# KiCad board CXD-ROUTER-V1.0_PUBLISH.kicad_pcb (continued)
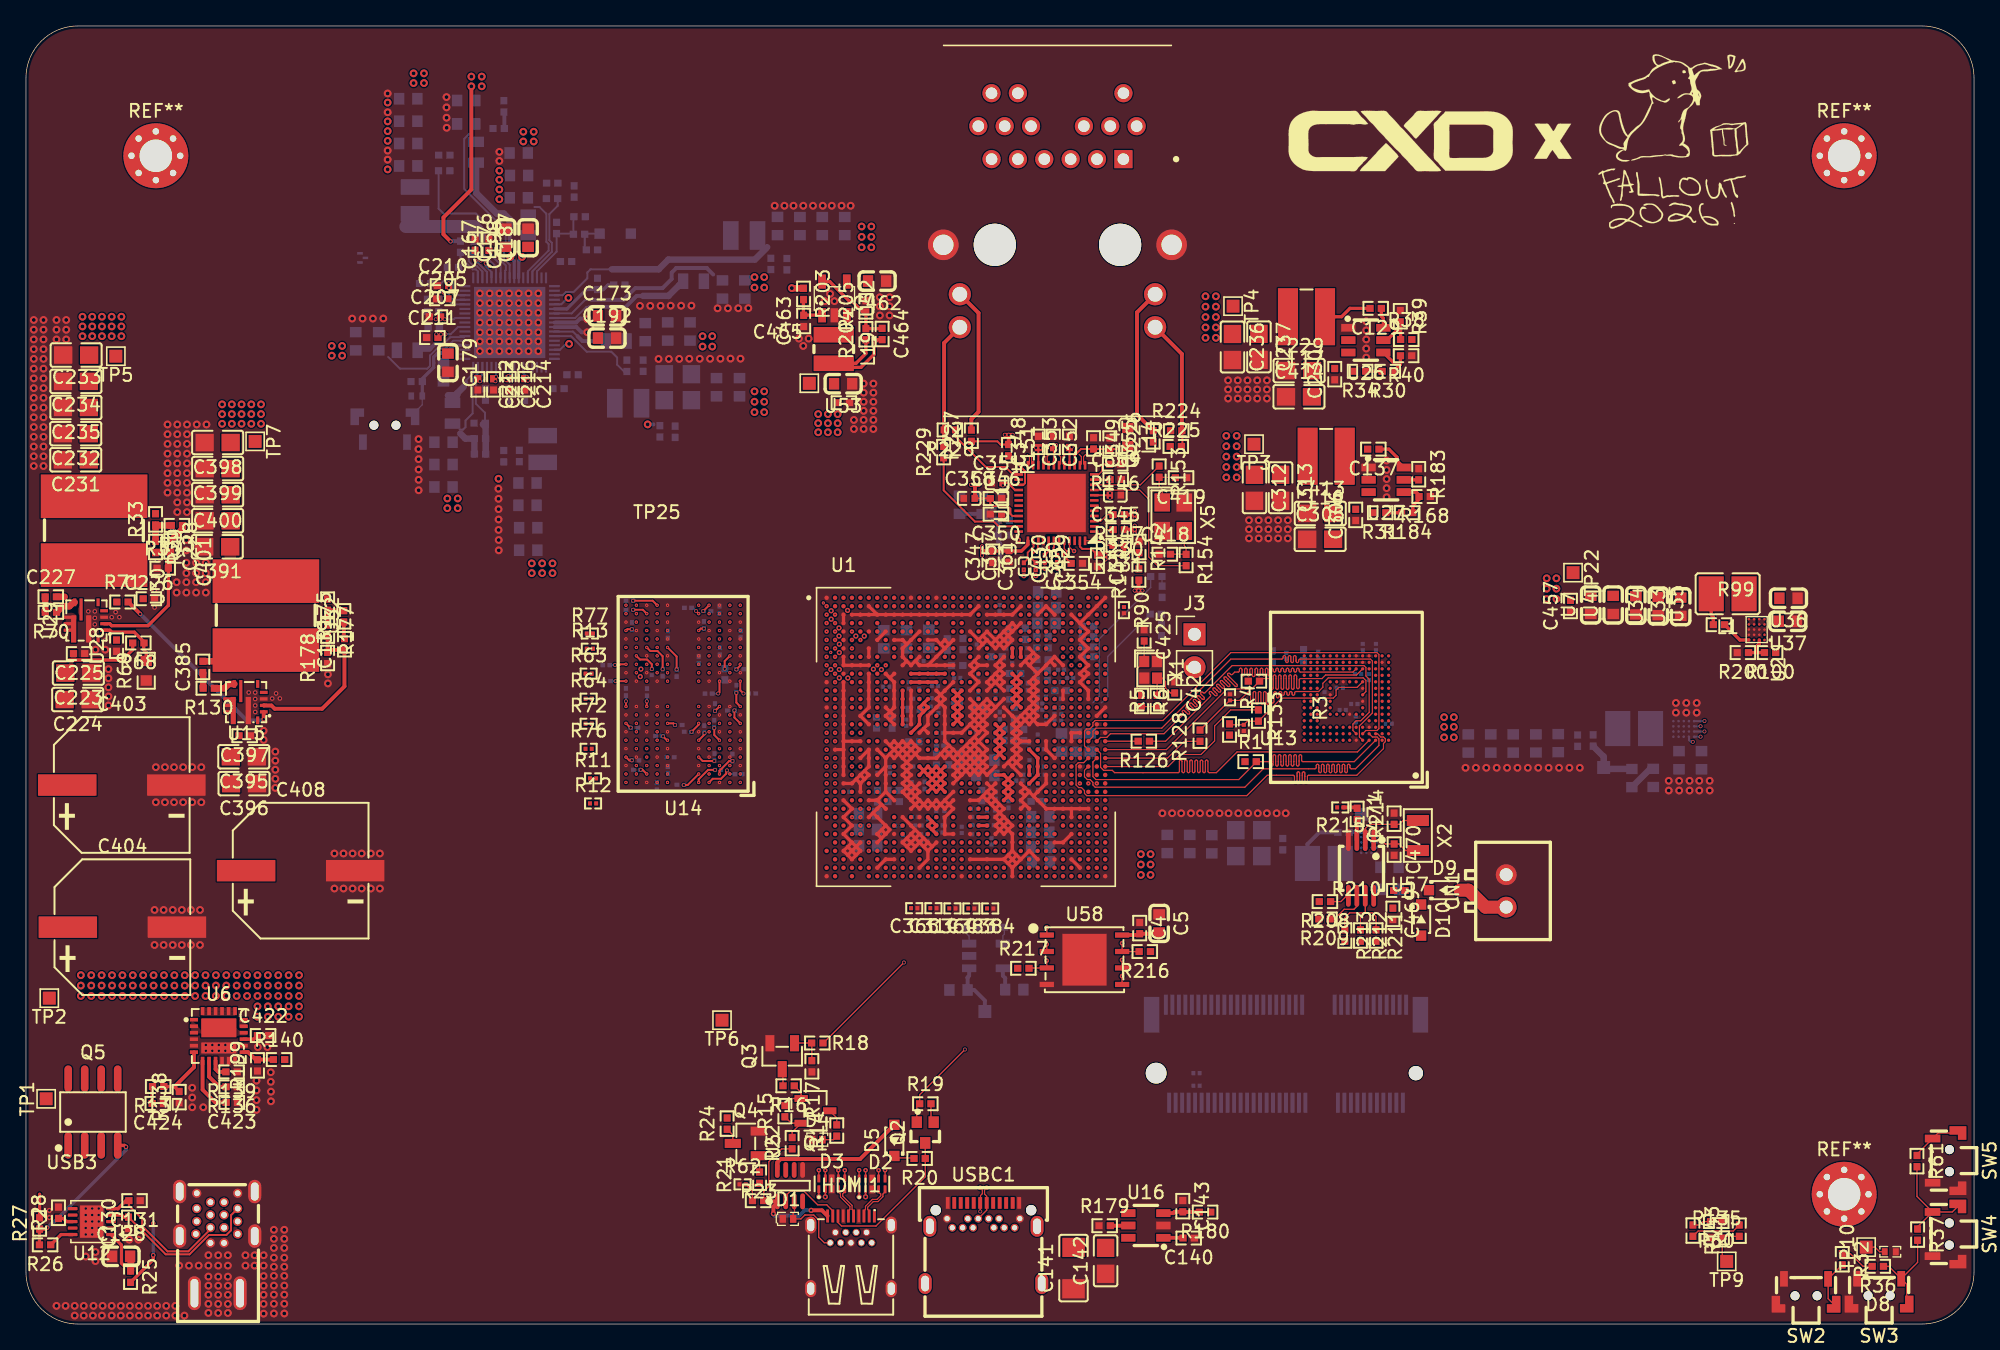
[diagram p0: board, top side]
## Nets (continued)
VCC5V_HDMIRX_PORT: HDMI1.19 R22.1 R23.2 U5.1
VCC_1V1_NLDO_S3: C205.2 C206.2 C464.2 C465.2 L19.2 R204.1 TP25.1 U18.9 U18.13 U53.2
VCC_1V8_S0: C13.2 C15.1 C215.1 C286.2 C287.2 C289.2 C293.2 C298.2 C299.1 Q2.2 R19.2 R24.2 R101.2 R102.2 R103.2 R104.2 R207.1 U1.AA7 U1.AA26 U1.AB26 U1.AC25 U1.AJ19 U1.AJ20 U1.G20 U1.H20 U1.H21 U1.W25 U1.Y26 U18.58
VCC_1V8_S3: C4.2 C5.2 C6.2 C7.2 C8.2 C11.1 C177.2 C178.2 C472.2 C474.2 C475.2 C481.2 L8.2 R1.1 R2.1 R3.1 R47.2 R56.2 R57.2 R211.2 R216.1 R217.1 U1.V26 U13.C6 U13.M4 U13.N4 U13.P3 U13.P5 U18.25 U58.8
VCC_1V8_S3_PLDO6: C197.2 R48.2 U18.20
VCC_2V0_PLDO_S3: C174.2 C175.2 C203.2 L4.2 U18.41 U18.59
VCC_3V3_S0: C288.2 C300.1 C466.2 D5.2 TP24.1 U1.AC26 U1.W26 U5.4 U5.8 U46.1
VCC_3V3_S3: C9.2 C10.2 C180.2 C181.2 C302.1 C467.2 C476.2 C477.2 C478.2 C479.2 D10.2 L9.2 R100.1 R212.2 U1.P28 U13.E6 U13.F5 U13.J10 U13.K9 U18.5 U46.5
VCC_RTC: D9.1 D10.1 R210.2
VCCA_1V8_S0: C18.1 C19.1 C22.1 C23.1 C26.1 C29.1 C31.1 C34.2 C35.2 C38.2 C39.2 C49.1 C50.1 C51.1 C126.1 C216.1 C307.1 R41.2 R143.2 U1.AG11 U1.AG14 U1.AH18 U1.AJ13 U1.G23 U1.H23 U1.K16 U1.K27 U1.L27 U1.M12 U1.M27 U1.N27 U1.U18 U18.60
VCCA_3V3_S0: C127.1 C213.1 U1.AE4 U1.AE5 U1.AJ10 U18.63
VCCIO_SD_S0: C12.1 C212.1 U1.Y7 U18.65
VDD2_DDR_S3: C188.2 C189.2 C190.2 C191.2 C257.2 C260.2 C263.2 C265.2 C267.2 C269.2 C271.2 C273.2 C275.2 C317.2 C320.2 C323.2 C325.2 C326.2 C327.2 C405.2 C407.2 C409.2 C410.2 C411.2 C412.2 L11.2 R52.2 R66.2 U14.A4 U14.A9 U14.AB4 U14.AB9 U14.F5 U14.F8 U14.H1 U14.H5 U14.H8 U14.H12 U14.K1 U14.K3 U14.K10 U14.K12 U14.N1 U14.N3 U14.N10 U14.N12 U14.R1 U14.R5 U14.R8 U14.R12 U14.U5 U14.U8 U18.30
VDD_0V75_S0: C14.1 C20.1 C21.1 C24.1 C25.1 C211.2 C238.1 C290.2 C291.2 C292.2 C295.2 C296.2 U1.AA25 U1.AB25 U1.AD3 U1.AG19 U1.AG20 U1.G24 U1.H24 U1.V20 U18.8
VDD_0V75_S3: C47.1 C48.1 C210.2 U1.P27 U18.14
VDD_CPU_BIG0_S0: C457.2 L1.2 R99.1 R99.2 TP22.1 U2.A4 U4.2 U7.2 U33.2 U34.2 U35.2
VDD_CPU_BIG1_MEM_S0: C59.2 C60.1 C119.1 C123.2 L20.2 U1.M19 U1.M21 U1.N19 U1.N21 U55.2
VDD_CPU_BIG1_S0: C61.1 C62.1 C63.1 C64.1 C65.1 C66.1 C67.1 C74.1 C75.1 C76.1 C92.1 C93.1 C94.2 C95.2 C96.2 C97.2 C98.2 C99.1 C100.1 C101.1 C461.2 L18.2 L20.1 R202.1 R202.2 TP23.1 U1.K23 U1.K24 U1.L23 U1.L24 U1.M16 U1.M17 U1.M23 U1.M24 U1.N16 U1.N17 U1.N23 U1.N24 U1.P16 U1.P17 U1.P23 U1.P24 U1.R16 U1.R17 U1.T16 U1.T17 U47.2 U48.2 U49.2 U50.2 U51.2 U54.A4
VDD_CPU_LIT_S0: C53.2 C54.2 C55.2 C56.2 C73.2 C77.2 C78.2 C120.1 C121.2 C156.1 C156.2 C157.2 C158.2 C159.2 C160.2 L5.2 R44.1 R44.2 U1.T21 U1.T22 U1.U21 U1.U22 U1.V21 U1.V22 U1.W21 U1.W22 U1.Y21 U1.Y22 U18.37
VDD_DDR_S0: C1.2 C43.2 C57.2 C58.2 C193.2 C194.2 C195.2 C196.1 C196.2 C281.2 L12.2 R55.1 R55.2 U1.L11 U1.L12 U1.L13 U1.L14 U1.L17 U1.L18 U1.N13 U1.P12 U1.P13 U1.R12 U1.T12 U1.U11 U18.46
VDD_GPU_S0: C68.2 C69.2 C70.2 C71.2 C72.2 C79.2 C80.2 C81.2 C82.2 C83.1 C150.1 C150.2 C151.2 C152.2 C153.2 C154.2 L3.2 R43.1 R43.2 U1.AA12 U1.AA13 U1.AA14 U1.AA15 U1.AB12 U1.AB13 U1.AB14 U1.AB15 U1.AC13 U1.AC14 U1.AC15 U1.AD13 U1.AD14 U1.AD15 U18.49
VDD_LOG_S0: C102.2 C103.2 C104.2 C105.2 C106.2 C107.2 C108.2 C109.2 C110.2 C162.1 C162.2 C163.2 C164.2 C165.2 C166.2 L6.2 R45.1 R45.2 U1.AC17 U1.AC18 U1.AC19 U1.AD17 U1.AD18 U1.AD19 U1.K19 U1.K20 U1.V16 U1.V17 U18.56
VDD_NPU_S0: C111.2 C112.2 C113.2 C114.2 C115.2 C116.2 C117.2 C118.1 C122.2 C458.2 C459.2 C460.2 L2.2 R201.1 R201.2 TP26.1 U1.AB21 U1.AB22 U1.AB23 U1.AC22 U1.AC23 U1.AD22 U1.AD23 U1.AE22 U1.AE23 U40.A4 U43.2 U44.2 U45.2
VDD_VDENC_S0: C84.2 C85.2 C86.1 C87.1 C88.1 C89.1 C90.1 C91.1 C168.1 C168.2 C169.2 C170.2 C171.2 C172.2 L7.2 R46.1 R46.2 U1.R14 U1.T14 U1.U14 U1.V12 U1.V13 U1.V14 U1.W13 U1.W14 U18.24
VDDA_0V75_S0: C125.1 C208.2 U1.AE8 U1.AH10 U18.11
VDDA_0V85_S0: C27.1 C28.1 C30.1 C32.2 C33.2 C36.2 C37.2 C207.2 U1.AG13 U1.AH13 U1.AH14 U1.AJ14 U1.K28 U1.L28 U1.M28 U18.10
VDDA_1V2_S0: C17.1 C214.1 C297.2 U1.AH19 U1.AH20 U18.57
VDDA_DDR_PLL_S0: C209.2 C282.2 U1.L15 U1.N12 U18.12
VDDQ_DDR: C256.2 C262.2 C264.2 C266.2 C268.2 C270.2 C272.2 C274.2 C276.2 C277.2 C278.2 C280.2 C318.2 C319.2 C321.2 C322.2 C324.2 R42.2 U14.AA3 U14.AA5 U14.AA8 U14.AA10 U14.B3 U14.B5 U14.B8 U14.B10 U14.D1 U14.D5 U14.D8 U14.D12 U14.F3 U14.F10 U14.U3 U14.U10 U14.W1 U14.W5 U14.W8 U14.W12
VDDQ_DDR_CK_S0: C438.2 U1.L10
VDDQ_DDR_CKE_S3: C439.2 U1.H13 U1.N8
VDDQ_DDR_S0: C183.2 C184.2 C185.2 C186.2 C433.2 C434.2 L10.2 R11.2 R12.2 R13.2 R50.2 R77.2 U1.K11 U1.K12 U1.K13 U1.K14 U1.K15 U1.M10 U1.N10 U1.P10 U1.R10 U1.T10 U18.67
32KOUT_WIFI: R213.2
/ETHERNET & MAGNETICS/CKXTAL1_E2: R153.1 U11.10
/ETHERNET & MAGNETICS/CKXTAL2_E2: R154.2 U11.9
/ETHERNET & MAGNETICS/CLKREQB_E2: R231.2 U11.48
/ETHERNET & MAGNETICS/EECS/SCL_E2: U11.31
/ETHERNET & MAGNETICS/EEPROM_SEL_E2: U11.32
/ETHERNET & MAGNETICS/EVDD33_E0: C354.2 J2.1 J2.6 J2.7 J2.12 U11.43
/ETHERNET & MAGNETICS/GIP/GPO_E2: R147.2 U11.3
/ETHERNET & MAGNETICS/LANWAKEB_E2: R230.2 U11.2
/ETHERNET & MAGNETICS/LED0/EEDI/SPISI/SDA_E2: R225.1 U11.30
/ETHERNET & MAGNETICS/LED1/EESK/SPISCK_E2: R151.2 R226.1 U11.27
/ETHERNET & MAGNETICS/LED2/EEDO/SPISO_E2: R228.1 U11.25
/ETHERNET & MAGNETICS/LED3_E2: R229.1 U11.35
/ETHERNET & MAGNETICS/MDIN0_2: J2.9 U11.14
/ETHERNET & MAGNETICS/MDIN1_2: J2.3 U11.18
/ETHERNET & MAGNETICS/MDIN2_2: J2.5 U11.21
/ETHERNET & MAGNETICS/MDIN3_2: J2.11 U11.24
/ETHERNET & MAGNETICS/MDIP0_2: J2.8 U11.13
/ETHERNET & MAGNETICS/MDIP1_2: J2.2 U11.17
/ETHERNET & MAGNETICS/MDIP2_2: J2.4 U11.20
/ETHERNET & MAGNETICS/MDIP3_2: J2.10 U11.23
/ETHERNET & MAGNETICS/RSET_E2: R146.2 U11.12
/ETHERNET & MAGNETICS/SPICSB_E2: U11.26
/HDMI_RX_SCL_M1: U5.7
/HDMI_RX_SDA_M1: U5.6
/HDMI_RXDDC_SCL_PORT: HDMI1.17 U5.2
/HDMI_RXDDC_SDA_PORT: D1.2 HDMI1.18 U5.3
/HDMIIRX_DET_L: Q4.3 R24.1
/MIPI DSI & CSI INTERFACES - Q | R | P/PCIE30_0_REF: R90.1 U1.B34
/MIPI DSI & CSI INTERFACES - Q | R | P/PCIE30_1_REF: U1.A33
/PCIE, SATA & USB INTERFACES - N | O/TYPEC0_REXT: U1.AH16
/PCIE, SATA & USB INTERFACES - N | O/TYPEC1_REXT: U1.AG16
/PMIC RK806-1/PMIC_FB6: C191.1 R51.2 R52.1 U18.31
/PMIC RK806-1/PMIC_FB9: C183.1 R49.2 R50.1 U18.66
/PMIC RK806-1/PMIC_SW1: L3.1 U18.50 U18.51
/PMIC RK806-1/PMIC_SW2: L5.1 U18.35 U18.36
/PMIC RK806-1/PMIC_SW3: L6.1 U18.55
/PMIC RK806-1/PMIC_SW4: L7.1 U18.23
/PMIC RK806-1/PMIC_SW5: L12.1 U18.45
/PMIC RK806-1/PMIC_SW6: L11.1 U18.29
/PMIC RK806-1/PMIC_SW9: L10.1 U18.68
/PMIC RK806-1/PMIC_SW10: L8.1 L9.1 U18.6 U18.26
/PMIC RK806-1/PMIC_VDC: C200.1 R53.1 R54.1 U18.32
/PMU & CLOCK - E | F/SPI2_CLK_M2: U1.N31
/PMU & CLOCK - E | F/TSADC_SHUT_H: U1.P32
/PMU & CLOCK - E | F/XIN_24M: C425.2 R6.1 U1.R34 X1.1
/PMU & CLOCK - E | F/XOUT_24M: R5.1 R6.2 U1.T34
/TYPEC_VBUS: Q5.1 Q5.2 Q5.3 R25.2 R27.2 USB3.A4 USB3.A9 USB3.B4 USB3.B9
/VCCIO - J | K | I/HOST0_REXT: U1.AG9
/VCCIO - J | K | I/HOST1_REXT: U1.AH9
/VCCIO - J | K | I/OTG0_REXT: U1.AP12
/VCCIO - J | K | I/OTG1_REXT: U1.AP7
/VCCIO - J | K | I/VSEL4: R111.2 U1.T32
/VCCIO - J | K | I/VSEL5: R112.2 U1.T30
BIG/NPU_EN: R100.2 R200.1 U2.A2 U40.A2 U54.A2
BOOT_SARADC_IN0: C314.2 R41.1 R135.2 TP9.1 U1.AM16
BT_REG_ON_H: U1.AH27
BT_WAKE_HOST_H: U1.P30
BT_WAKE_L: U1.AB28
CC_INT_L: U1.AC29
CM_RST_L: U1.AK30
CPU_BIG0_VSEL: U1.R31 U2.A1
CPU_BIG1_VSEL: U1.W28 U54.A1
DDQ_DDR_CK_S0: U1.M13
DDR_CH0_A0_A: U1.T7 U14.H2
DDR_CH0_A0_B: U1.M8 U14.R2
DDR_CH0_A1_A: U1.T8 U14.J2
DDR_CH0_A1_B: U1.M5 U14.P2
DDR_CH0_A2_A: U1.P4 U14.H9
DDR_CH0_A2_B: U1.N5 U14.R9
DDR_CH0_A3_A: U1.P5 U14.H10
DDR_CH0_A3_B: U1.N4 U14.R10
DDR_CH0_A4_A: U1.R1 U14.H11
DDR_CH0_A4_B: U1.K1 U14.R11
DDR_CH0_A5_A: U1.P2 U14.J11
DDR_CH0_A5_B: U1.L2 U14.P11
DDR_CH0_CLKN_A: U1.N1 U14.J9
DDR_CH0_CLKN_B: U1.M1 U14.P9
DDR_CH0_CLKP_A: U1.N2 U14.J8
DDR_CH0_CLKP_B: U1.M2 U14.P8
DDR_CH0_DM0_A: U1.Y4 U14.C3
DDR_CH0_DM0_B: U1.G4 U14.Y3
DDR_CH0_DM1_A: U1.AB4 U14.C10
DDR_CH0_DM1_B: U1.E4 U14.Y10
DDR_CH0_DQ0_A: U1.U1 U14.B2
DDR_CH0_DQ0_B: U1.H1 U14.AA2
DDR_CH0_DQ1_A: U1.T2 U14.C2
DDR_CH0_DQ1_B: U1.J2 U14.Y2
DDR_CH0_DQ2_A: U1.T1 U14.E2
DDR_CH0_DQ2_B: U1.J1 U14.V2
DDR_CH0_DQ3_A: U1.R2 U14.F2
DDR_CH0_DQ3_B: U1.K2 U14.U2
DDR_CH0_DQ4_A: U1.W1 U14.F4
DDR_CH0_DQ4_B: U1.F1 U14.U4
DDR_CH0_DQ5_A: U1.V2 U14.E4
DDR_CH0_DQ5_B: U1.G2 U14.V4
DDR_CH0_DQ6_A: U1.V1 U14.C4
DDR_CH0_DQ6_B: U1.G1 U14.Y4
DDR_CH0_DQ7_A: U1.U2 U14.B4
DDR_CH0_DQ7_B: U1.H2 U14.AA4
DDR_CH0_DQ8_A: U1.AB2 U14.B11
DDR_CH0_DQ8_B: U1.D2 U14.AA11
DDR_CH0_DQ9_A: U1.AB1 U14.C11
DDR_CH0_DQ9_B: U1.C1 U14.Y11
DDR_CH0_DQ10_A: U1.AC1 U14.E11
DDR_CH0_DQ10_B: U1.C2 U14.V11
DDR_CH0_DQ11_A: U1.AC2 U14.F11
DDR_CH0_DQ11_B: U1.B1 U14.U11
DDR_CH0_DQ12_A: U1.Y1 U14.F9
DDR_CH0_DQ12_B: U1.F2 U14.U9
DDR_CH0_DQ13_A: U1.Y2 U14.E9
DDR_CH0_DQ13_B: U1.E1 U14.V9
DDR_CH0_DQ14_A: U1.AA1 U14.C9
DDR_CH0_DQ14_B: U1.E2 U14.Y9
DDR_CH0_DQ15_A: U1.AA2 U14.B9
DDR_CH0_DQ15_B: U1.D1 U14.AA9
DDR_CH0_DQS0_A_N: U1.U4 U14.E3
DDR_CH0_DQS0_A_P: U1.U5 U14.D3
DDR_CH0_DQS0_B_N: U1.J7 U14.V3
DDR_CH0_DQS0_B_P: U1.J8 U14.W3
DDR_CH0_DQS1_A_N: U1.AA4 U14.E10
DDR_CH0_DQS1_A_P: U1.AA5 U14.D10
DDR_CH0_DQS1_B_N: U1.F4 U14.V10
DDR_CH0_DQS1_B_P: U1.F5 U14.W10
DDR_CH0_LP4/4X_CKE0/LP5_CS0_A: R63.1 U1.P7
DDR_CH0_LP4/4X_CKE0/LP5_CS0_B: R72.1 U1.L5
DDR_CH0_LP4/4X_CKE0_A: R63.2 U14.J4
DDR_CH0_LP4/4X_CKE0_B: R72.2 U14.P4
DDR_CH0_LP4/4X_CKE1/LP5_CS1_A: R64.1 U1.N7
DDR_CH0_LP4/4X_CKE1/LP5_CS1_B: R76.1 U1.L4
DDR_CH0_LP4/4X_CKE1_A: R64.2
DDR_CH0_LP4/4X_CKE1_B: R76.2
DDR_CH0_LP4/4X_CS0_A: U1.R6 U14.H4
DDR_CH0_LP4/4X_CS0_B: U1.L7 U14.R4
DDR_CH0_LP4/4X_CS1_A: U1.R7
DDR_CH0_LP4/4X_CS1_B: U1.L8
DDR_CH1_A0_C: U1.G12
DDR_CH1_A0_D: U1.H15
DDR_CH1_A1_C: U1.F12
DDR_CH1_A1_D: U1.G14
DDR_CH1_A2_C: U1.E13
DDR_CH1_A2_D: U1.G13
DDR_CH1_A3_C: U1.D13
DDR_CH1_A3_D: U1.E14
DDR_CH1_A4_C: U1.A10
DDR_CH1_A4_D: U1.A15
DDR_CH1_A5_C: U1.B11
DDR_CH1_A5_D: U1.B14
DDR_CH1_CLKN_C: U1.A12
DDR_CH1_CLKN_D: U1.A13
DDR_CH1_CLKP_C: U1.B12
DDR_CH1_CLKP_D: U1.B13
DDR_CH1_DM0_C: U1.F8
DDR_CH1_DM0_D: U1.D20
DDR_CH1_DM1_C: U1.D4
DDR_CH1_DM1_D: U1.D22
DDR_CH1_DQ0_C: U1.A8
DDR_CH1_DQ0_D: U1.A17
DDR_CH1_DQ1_C: U1.B9
DDR_CH1_DQ1_D: U1.B16
DDR_CH1_DQ2_C: U1.A9
DDR_CH1_DQ2_D: U1.A16
DDR_CH1_DQ3_C: U1.B10
DDR_CH1_DQ3_D: U1.B15
DDR_CH1_DQ4_C: U1.A6
DDR_CH1_DQ4_D: U1.A19
DDR_CH1_DQ5_C: U1.B7
DDR_CH1_DQ5_D: U1.B18
DDR_CH1_DQ6_C: U1.A7
DDR_CH1_DQ6_D: U1.A18
DDR_CH1_DQ7_C: U1.B8
DDR_CH1_DQ7_D: U1.B17
DDR_CH1_DQ8_C: U1.A3
DDR_CH1_DQ8_D: U1.A22
DDR_CH1_DQ9_C: U1.B3
DDR_CH1_DQ9_D: U1.B22
DDR_CH1_DQ10_C: U1.A2
DDR_CH1_DQ10_D: U1.A23
DDR_CH1_DQ11_C: U1.B2
DDR_CH1_DQ11_D: U1.B23
DDR_CH1_DQ12_C: U1.A5
DDR_CH1_DQ12_D: U1.A20
DDR_CH1_DQ13_C: U1.B5
DDR_CH1_DQ13_D: U1.B20
DDR_CH1_DQ14_C: U1.A4
DDR_CH1_DQ14_D: U1.A21
DDR_CH1_DQ15_C: U1.B4
DDR_CH1_DQ15_D: U1.B21
DDR_CH1_DQS0N_C: U1.D9
DDR_CH1_DQS0N_D: U1.G16
DDR_CH1_DQS0P_C: U1.E9
DDR_CH1_DQS0P_D: U1.H16
DDR_CH1_DQS1N_C: U1.D5
DDR_CH1_DQS1N_D: U1.E21
DDR_CH1_DQS1P_C: U1.E5
DDR_CH1_DQS1P_D: U1.D21
DDR_CH1_LP4/4X_CKE0/LP5_CS0_C: U1.D11
DDR_CH1_LP4/4X_CKE0_C: U1.D16 U1.E19
DDR_CH1_LP4/4X_CKE1/LP5_CS1_C: U1.E11
DDR_CH1_LP4/4X_CKE1_C: U1.D19 U1.E16
DDR_CH1_LP4/4X_CS0_C: U1.G11
DDR_CH1_LP4/4X_CS1_C: U1.H11
DDR_RESET: C239.1 U1.T4 U14.T11
DP1_AUXN: U1.AM10
DP1_AUXP: U1.AL10
EKEY_EN: U1.F28
eMMC_CLKOUT: R126.1 U13.M6
eMMC_CMD: R2.2 U1.W34 U13.M5
eMMC_D0: R1.2 U1.Y33 U13.A3
eMMC_D1: U1.W33 U13.A4
eMMC_D2: U1.V32 U13.A5
eMMC_D3: U1.AA33 U13.B2
eMMC_D4: U1.Y32 U13.B3
eMMC_D5: U1.AA32 U13.B4
eMMC_D6: U1.W32 U13.B5
eMMC_D7: U1.V33 U13.B6
eMMC_DATA_STROBE: R4.2 R128.1 U13.H5
eMMC_RSTn: C3.1 R3.2 R133.1 U13.K5
FSPI-CLK: U1.AH30
FSPI-CS0: U1.AH26
FSPI-D0: U1.AA29
FSPI-D1: U1.AA30
FSPI-D2: U1.AD27
FSPI-D3: U1.AE27
FSPI_CLK: U1.AE33 U58.6
FSPI_CS0: U1.AB31 U58.1
FSPI_D0: U1.AC32 U58.5
FSPI_D1: U1.AC31 U58.2
FSPI_D2: R217.2 U1.AE32 U58.3
FSPI_D3: R216.2 U1.AC33 U58.7
GPIO0-A0: U1.P33
GPIO0-B7: U1.T28
GPIO0-C0: U1.T31
GPIO1-D7: U1.F25
GPIO1_B7_U_1V8: U1.E27
GPIO4-C4: U1.AB34
GPIO4-C5: U1.AB33
GPIO4-C6: U1.AF33
HDMI0_TX_ON_H: U1.AL24
HDMI1_TX_ON_H: U1.AL30
HDMI_RX_CEC: Q2.1 R19.1 U1.AG23
HDMI_RX_CEC_PORT: HDMI1.15 Q2.3 R20.1
HDMI_RX_CLK_PORT_N: D3.1 D3.10 HDMI1.14 U1.AF5
HDMI_RX_CLK_PORT_P: D3.2 D3.9 HDMI1.12 U1.AF6
HDMI_RX_D0_PORT_N: D3.4 D3.7 HDMI1.11 U1.AG4
HDMI_RX_D0_PORT_P: D3.5 D3.6 HDMI1.9 U1.AG5
HDMI_RX_D1_PORT_N: D2.1 D2.10 HDMI1.8 U1.AH5
HDMI_RX_D1_PORT_P: D2.2 D2.9 HDMI1.6 U1.AH6
HDMI_RX_D2_PORT_N: D2.4 D2.7 HDMI1.5 U1.AJ4
HDMI_RX_D2_PORT_P: D2.5 D2.6 HDMI1.3 U1.AJ5
HDMI_RX_SCL_M1: U1.AG25
HDMIIRX_DET_L: U1.D29
HDMIIRX_HPDOUT_H: R18.2 U1.AA27
HDMITX0_CEC_M0: U1.AK24
HDMITX0_HPDIN_M1: U1.B26
HDMITX0_SCL_M0: U1.AJ28
HDMITX0_SDA_M0: U1.AJ25
HDMITX1_CEC_M2: U1.AC30
HDMITX1_HPDIN_M1: U1.C24
HDMITX1_SCL_M1: U1.AG26
HDMITX1_SDA_M1: U1.AH25
HP_DETECT: U1.G26
HP_INT: U1.E28
I2C0_SCL_M2: U1.W30 U2.A3 U54.A3
I2C0_SDA_M2: U1.W29 U2.B1 U54.B1
I2C1_SCL_M2: U40.A3
I2C1_SDA_M2: U1.V28 U40.B1
I2C3_SCL_M0_MIPI: R102.1 U1.G27
I2C3_SDA_M0_MIPI: R101.1 U1.G29
I2C4_SCL: U1.AB30
I2C6_SCL_M0: R209.2 U1.W31
I2C6_SDA_M0: R208.2 U1.V31
I2C7_SCL_M0_CODEC: R103.1 U1.F26
I2C7_SCL_M3: U1.AK25
I2C7_SDA_M0_CODEC: R104.1 U1.F27
I2C7_SDA_M3: U1.AM25
I2S0_LRCK: U1.D30
I2S0_MCLK: U1.F30
I2S0_SCLK_TX: U1.E31
I2S0_SDI0: U1.D28
I2S0_SDO0: U1.E29
I2S2_LRCK_M0_BT: U1.AE34
I2S2_LRCK_RX_M1: U1.AH29
I2S2_LRCK_TX_M1: U1.AE29
I2S2_SCLK_M0_BT: U1.AD34
I2S2_SCLK_TX_M1: U1.AD29
I2S2_SDI_M0_BT: U1.AD30
I2S2_SDI_M1: U1.AE28
I2S2_SDO_M0_BT: U1.AF34
I2S2_SDO_M1: U1.AC28
LCD_light_EN: U1.AD31
LCD_PWM: U1.AE31
LCD_PWREN_H: U1.E30
LCD_RESET: U1.AD32
MIPI_CAM1_CLKOUT: U1.E26
MIPI_CAM3_CLKOUT: U1.F24
MIPI_CSI0_PDN0_H: U1.C27
MIPI_CSI0_PDN1_H: U1.C25
MIPI_CSI0_RX_CLK0N: U1.AJ34
MIPI_CSI0_RX_CLK0P: U1.AJ33
MIPI_CSI0_RX_CLK1N: U1.AM34
MIPI_CSI0_RX_CLK1P: U1.AM33
MIPI_CSI0_RX_D0N: U1.AG34
MIPI_CSI0_RX_D0P: U1.AG33
MIPI_CSI0_RX_D1N: U1.AH34
MIPI_CSI0_RX_D1P: U1.AH33
MIPI_CSI0_RX_D2N: U1.AK34
MIPI_CSI0_RX_D2P: U1.AK33
MIPI_CSI0_RX_D3N: U1.AL34
MIPI_CSI0_RX_D3P: U1.AL33
MIPI_DPHY1_TX_CLKN: U1.AP20
MIPI_DPHY1_TX_CLKP: U1.AN20
MIPI_DPHY1_TX_D0N: U1.AP18
MIPI_DPHY1_TX_D0P: U1.AN18
MIPI_DPHY1_TX_D1N: U1.AP19
MIPI_DPHY1_TX_D1P: U1.AN19
MIPI_DPHY1_TX_D2N: U1.AP21
MIPI_DPHY1_TX_D2P: U1.AN21
MIPI_DPHY1_TX_D3N: U1.AP22
MIPI_DPHY1_TX_D3P: U1.AN22
NPU_VSEL: U1.U32 U40.A1
PCIE20_0_REFCLKN: U1.L33
PCIE20_0_REFCLKP: U1.L32
PCIE20_0_RXN: U1.N34
PCIE20_0_RXP: U1.N33
PCIE20_1_2_CLKREQn_M1_L: U1.AJ24
PCIE20_1_2_WAKEn_M1_L: U1.AG24 U1.AH24
PCIE20_1_REFCLKN: U1.H33
PCIE20_1_REFCLKP: U1.H32
PCIE20_1_RXN: U1.J34
PCIE20_1_RXP: U1.J33
PCIE20_2_REFCLKN: U1.G30 U11.45
PCIE20_2_REFCLKP: U1.G31 U11.44
PCIE20_2_RXN: C360.1 C360.2 U1.J30 U11.39
PCIE20_2_RXP: C361.1 C361.2 U1.J31 U11.38
PCIE20_2_TXN: C430.1 C430.2 U1.H29 U11.42
PCIE20_2_TXP: C429.1 C429.2 U1.H30 U11.41
PCIE30_PORT0_REF_CLKN: CN2.49
PCIE30_PORT0_REF_CLKP: CN2.47
PCIE30_PORT0_REFCLKN_IN: U1.E34
PCIE30_PORT0_REFCLKP_IN: U1.E33
PCIE30_PORT0_RX0N: CN2.43 U1.G34
PCIE30_PORT0_RX0P: CN2.41 U1.G33
PCIE30_PORT0_RX1N: U1.F33
PCIE30_PORT0_RX1P: U1.F32
PCIE30_PORT0_TX0N: C304.1 U1.D33
PCIE30_PORT0_TX0P: C303.1 U1.D32
PCIE30_PORT0_TX1N: U1.C34
PCIE30_PORT0_TX1P: U1.C33
PCIE30_PORT1_REFCLKN_IN: U1.B28
PCIE30_PORT1_REFCLKP_IN: U1.A28
PCIE30_PORT1_RX2N: U1.A32
PCIE30_PORT1_RX2P: U1.B32
PCIE30_PORT1_RX3N: U1.B31
PCIE30_PORT1_RX3P: U1.C31
PCIE30_PORT1_TX2N: U1.A30
PCIE30_PORT1_TX2P: U1.B30
PCIE30_PORT1_TX3N: U1.B29
PCIE30_PORT1_TX3P: U1.C29
PCIE30x1_0_CLKREQn_M1_L: CN2.53 U1.AL29
PCIE30x1_0_PERSTn_M1_L: CN2.52 U1.AK27
PCIE30x1_0_WAKEn_M1_L: CN2.55 U1.AL28
PCIE30x1_1_PERSTn_M1_L: U1.AM29
PCIE30x2_PERSTn_M0_L: U1.V29
PCIE30x2_PERSTn_M1_L: U1.AK26 U11.36
PCIE30X4_CLKREQn_M1_L: U1.AL26
PCIE30X4_PERSTn_M1_L: U1.AJ27
PCIE30x4_PWREN_H: U1.B25
PCIE30X4_WAKEn_M1_L: U1.AJ26
PCIE_PERST_L: U1.AG28
PMIC_EXT_EN_OUT: R203.1 U18.39
PMIC_INT_L: R57.1 U1.M30 U18.19
PMIC_PWR_CTRL1: U18.62
PMIC_PWR_CTRL2: R112.1 R114.2 U18.61
PMIC_PWR_CTRL3: R111.1 R113.2 U18.16
PMIC_SPI_CLK: U18.17
PMIC_SPI_CS: R59.2 U1.K29 U1.K30 U18.18
PMIC_SPI_MOSI: R58.2 U1.L29 U18.15
POW_EXT_SWR: R183.2 U27.5
PWM8_M0: U1.AG29
PWRON_L: C201.1 D7.1 SW1.4 U18.4
RESET_L: C202.2 R56.1 U1.M31 U18.40
RTC_INT_L: R214.1 R215.1 U1.L30
SARADC_IN4_EXP: C384.2 U1.AM17
SARADC_VIN1_KEY/RECOVERY: C364.2 D8.2 R32.1 R36.2 TP10.1 U1.AL16
SARADC_VIN2_LCD_ID: C365.2 U1.AK16
SARADC_VIN3_HP_HOOK: C383.2 U1.AN17
SARADC_VIN5_EVB_HW_ID: R60.2 R143.1 U1.AK15
SARADC_VIN6_dcin: U1.AL17
SDIO-CMD-M0: U1.AC34
SDMMC_DET_L: U1.P31
SPI0-CLK: U1.D27
SPI0-CS0: U1.E24
SPI0-CS1: U1.E25
SPI0-MISO: U1.D25
SPI0-MOSI: U1.D26
SPI1_CLK_M1: U1.Y27
SPI1_CS0_M1: U1.Y31
SPI1_CS1_M1: U1.Y30
SPI1_MISO_M1: U1.Y29
SPI1_MOSI_M1: U1.AA28
TP_INT_L: U1.U33
TP_RST_L: U1.T29
TYPEC0_OTG_DM: U1.AM12
TYPEC0_OTG_DP: U1.AL12
TYPEC0_SBU1: U1.AL15
TYPEC0_SBU1_DC: U1.AL27
TYPEC0_SBU2: U1.AM15
TYPEC0_SBU2_DC: U1.AM27
TYPEC0_SSRX1N: U1.AP13
TYPEC0_SSRX1P: U1.AN13
TYPEC0_SSRX2N: U1.AP15
TYPEC0_SSRX2P: U1.AN15
TYPEC0_SSTX1N: U1.AN14
TYPEC0_SSTX1P: U1.AP14
TYPEC0_SSTX2N: U1.AN16
TYPEC0_SSTX2P: U1.AP16
TYPEC0_USB20_OTG_ID: U1.AL14
TYPEC0_USB20_VBUSDET: U1.AM14
TYPEC1_OTG_DM: U1.AL9
TYPEC1_OTG_DP: U1.AK9
TYPEC1_SSRX1N: U1.AP8 USBC1.B10
TYPEC1_SSRX1P: U1.AN8 USBC1.B11
TYPEC1_SSRX2N: U1.AP10
TYPEC1_SSRX2P: U1.AN10
TYPEC1_SSTX1N: U1.AN9 USBC1.A3
TYPEC1_SSTX1P: U1.AP9 USBC1.A2
TYPEC1_SSTX2N: U1.AN11 USBC1.B3
TYPEC1_SSTX2P: U1.AP11 USBC1.B2
TYPEC1_USB20_OTG_D_N: U1.AL6 USBC1.A7 USBC1.B7
TYPEC1_USB20_OTG_D_P: U1.AK6 USBC1.A6 USBC1.B6
TYPEC5V_PWREN_H: U1.AD33
U29_PG: R71.2 U15.1
UART2_RX_M0: J3.2 U1.R29
UART2_TX_M0: J3.1 U1.P29
UART6-CTSN: U1.A27
UART6-RTSN: U1.A26
UART6-RX: U1.A24
UART6-TX: U1.A25
UART8_RTSn_M1_BT: U1.AD28
USB20_HOST1_DM: U1.AM7
USB20_HOST1_DP: U1.AL7
WIFI_REG_ON_H: U1.R30
Net-(C139-Pad2): C139.2 R175.1
Net-(C227-Pad1): C227.1 R70.2
Net-(C228-Pad1): C228.1 R73.1
Net-(C385-Pad1): C385.1 R130.2
Net-(C418-Pad2): C418.2 R154.1 X5.3
Net-(C419-Pad2): C419.2 R153.2 X5.1
Net-(C426-Pad2): C426.2 R5.2 X1.3
Net-(CN1-POS): CN1.1 D9.2
Net-(CN2-TX-N): C304.2 CN2.37
Net-(CN2-TX-P): C303.2 CN2.35
Net-(D4-Pad2): D4.2 R14.1
Net-(D5-K): D5.1 R20.2
Net-(D6-K): C199.1 D6.1 R53.2
Net-(J2-LEDG1+): J2.17 R224.2 R225.2
Net-(J2-LEDG1-): J2.16 R226.2
Net-(J2-LEDY+): J2.19 R228.2 R229.2
Net-(J2-LEDY-): J2.18 R227.2
Net-(L1-Pad1): L1.1 U2.D3 U2.D4 U2.E3 U2.E4
Net-(L2-Pad1): L2.1 U40.D3 U40.D4 U40.E3 U40.E4
Net-(L18-Pad1): L18.1 U54.D3 U54.D4 U54.E3 U54.E4
Net-(Q1-D): Q1.3 R14.2
Net-(Q1-G): Q1.1 R15.2 R16.1
Net-(Q1-S): Q1.2 R15.1 R22.2
Net-(Q3-B): Q3.1 R17.1 R18.1
Net-(Q3-C): Q3.3 R16.2
Net-(Q4-B): Q4.1 R21.2
Net-(Q5-G): Q5.4 R26.2 R27.1
Net-(R21-Pad1): R21.1 R23.1 R62.2
Net-(R29-Pad1): R29.1 R33.1 R73.2
Net-(R30-Pad2): R30.2 R34.1
Net-(R32-Pad2): R32.2 SW2.1 SW2.4
Net-(R36-Pad1): R36.1 R37.2 SW3.1 SW3.4
Net-(R37-Pad1): R37.1 R61.2 SW4.1 SW4.4
Net-(R61-Pad1): R61.1 SW5.1 SW5.4
Net-(R175-Pad2): R175.2 R176.1 R177.1
Net-(R184-Pad2): R31.1 R184.2
Net-(U1A-DDR_CH0_ZQ_A): R11.1 U1.W8
Net-(U1A-DDR_CH0_ZQ_B): R12.1 U1.H7
Net-(U1B-DDR_CH1_ZQ_C): R77.1 U1.G8
Net-(U1B-DDR_CH1_ZQ_D): R13.1 U1.F18
Net-(U1C-EMMC_CLKOUT/GPIO2_A1_D): R126.2 U1.V34
Net-(U1C-EMMC_DATA_STROBE/I2C2_SDA_M2/UART5_CTSN_M1/GPIO2_A2_D): R128.2 U1.Y34
Net-(U1C-EMMC_RSTN/I2C2_SCL_M2/UART5_RTSN_M1/GPIO2_A3_D): R133.2 U1.AA34
Net-(U1E-PMIC_SLEEP1/GPIO0_A2_D): U1.R32
Net-(U1E-SPI2_MOSI_M2/I2C0_SDA_M0/GPIO0_A6_Z): U1.N30
Net-(U1G-CLK32K_OUT1/GPIO2_C5_D): U1.AE30
Net-(U1H-HDMI_RX_REXT): U1.AF3
Net-(U1N-PCIE20_0_TXN/SATA30_0_TXN): U1.M33
Net-(U1N-PCIE20_0_TXP/SATA30_0_TXP): U1.M34
Net-(U1N-PCIE20_1_TXN/SATA30_1_TXN): U1.K34
Net-(U1N-PCIE20_1_TXP/SATA30_1_TXP): U1.K33
Net-(U1P-MIPI_D/C_PHY1_VREG): C16.1 U1.AF19
Net-(U1T-MIPI_D/C_PHY0_VREG): U1.AF20
Net-(U6-dVdt): C422.1 U6.15
Net-(U6-EN/UVLO): R137.1 R138.2 U6.6
Net-(U6-ILIM): R136.2 U6.8
Net-(U6-IMON): R139.2 U6.9
Net-(U6-ITIMER): C423.2 U6.7
Net-(U6-PG): R140.1 R199.2 U6.13
Net-(U11-ISOLATEB): R141.2 R142.2 U11.1
Net-(U12-CC1): C130.2 U12.4 USB3.A5
Net-(U12-CC2): C131.2 U12.5 USB3.B5
Net-(U12-GATE): R26.1 U12.10
Net-(U12-VIN): C128.2 R25.1 U12.1
Net-(U12-VSET): R28.1 U12.8
Net-(U13-VDDI): C2.2 U13.C2
Net-(U14A-ODTa): U14.G2
Net-(U14A-ODTb): R66.1 U14.T2
Net-(U14A-ZQ0): R42.1 U14.A5
Net-(U15-BOOT): R130.1 U15.7
Net-(U15-FB): C139.1 R177.2 R178.2 U15.2
Net-(U15-SW): C385.2 U15.6 U32.1
Net-(U16-EN): C143.2 R180.2 U16.3 U16.4
Net-(U16-ILIM): R179.2 U16.5
Net-(U18A-SW7): L4.1 U18.42
Net-(U26-EN): R38.1 R39.2 U26.5
Net-(U26-SW): C129.2 L17.1 U26.2
Net-(U26-VBST): C129.1 U26.6
Net-(U26-VFB): R30.1 R40.2 U26.4
Net-(U27-SW): C137.2 L16.1 U27.2
Net-(U27-VBST): C137.1 U27.6
Net-(U27-VFB): R168.2 R184.1 U27.4
Net-(U29-BOOT): R70.1 U29.7
Net-(U29-EN): R68.1 R69.2 U29.1
Net-(U29-FB): C228.2 R29.2 R35.2 U29.2
Net-(U29-MODE): U28.2 U29.10
Net-(U29-PG): R71.1 U29.4
Net-(U29-SS): C226.1 U29.5
Net-(U29-SW): C227.2 U29.6 U30.1
Net-(U46-EN): R207.2 U46.4
Net-(U46-ILIM/OCB): R206.2 U46.3
Net-(U52-EN): C463.2 R203.2 U52.1
Net-(U52-FB): C464.1 R204.2 R205.1 U52.5
Net-(U52-LX): L19.1 U52.3
Net-(U57-CLKOUT): R211.1 R212.1 R213.1 U57.7
Net-(U57-INT#): R214.2 U57.3
Net-(U57-OSCI): C470.1 U57.1 X2.2
Net-(U57-OSCO): C471.1 U57.2 X2.1
Net-(U57-SCL): R209.1 U57.6
Net-(U57-SDA): R208.1 U57.5
Net-(U57-VDD): C469.1 R210.1 U57.8

Pads without a net: C285 1 2; C433 1; C434 1; C435 1 2; C436 1 2; C437 1 2; CN2 3 5 6 8 9 10 11 12 13 14 15 16 17 19 20 21 22 23 32 34 36 38 40 42 44 46 48 50 54 56 58 59 60 61 62 64 65 66 67 68 70 71 73; HDMI1 1 2; J2 13 14 15; R180 1; REF** 1; REF**#2 1; REF**#3 1; U1 AA9 AB9 AC6 AC7 AC9 AD1 AD2 AD4 AD6 AD7 AD9 AE1 AE2 AF1 AF2 AF18 AG1 AG2 AG31 AG32 AH2 AH3 AH31 AH32 AJ1 AJ2 AJ31 AJ32 AK2 AK3 AK8 AK17 AK18 AK19 AK20 AK21 AK22 AK31 AK32 AL1 AL2 AL8 AL18 AL19 AL20 AL21 AL22 AL31 AL32 AM2 AM3 AM5 AM31 AM32 AN1 AN2 AN3 AN4 AN5 AN6 AN24 AN25 AN26 AN27 AN28 AN29 AN30 AN32 AN33 AN34 AP2 AP4 AP6 AP24 AP25 AP26 AP27 AP28 AP29 AP30 AP31 AP32 AP33 C19 D7 D10 D14 D17 E7 E10 E17 G9 G18 H4 H5 H9 H18 K4 K5 K7 M7 T5 V6 V7 W4 W5; U11 4 5 6 7; U12 2 3 6 7 9; U13 A1 A2 A7 A8 A9 A10 A11 A12 A13 A14 B1 B7 B8 B9 B10 B11 B12 B13 B14 C1 C3 C5 C7 C8 C9 C10 C11 C12 C13 C14 D1 D2 D3 D4 D12 D13 D14 E1 E2 E3 E5 E8 E9 E10 E12 E13 E14 F1 F2 F3 F10 F12 F13 F14 G1 G2 G3 G10 G12 G13 G14 H1 H2 H3 H12 H13 H14 J1 J2 J3 J12 J13 J14 K1 K2 K3 K6 K7 K10 K12 K13 K14 L1 L2 L3 L12 L13 L14 M1 M2 M3 M7 M8 M9 M10 M11 M12 M13 M14 N1 N3 N6 N7 N8 N9 N10 N11 N12 N13 N14 P1 P2 P7 P8 P9 P10 P11 P12 P13 P14; U14 78.85 A1 A2 A8 A11 A12 AA1 AA12 AB1 AB2 AB11 AB12 B1 B12 G11 H3 J5 K5 K8 N5 N8 P5 R3; U15 4 5 10; U18 2 3 38 47 48; USB3 A6 A7 A8 B6 B7 B8; USBC1 0 A5 A8 A10 A11 B5 B8

## Via types
v1: diameter 0.6, hole 0.3, Top to Bottom, 666 vias
v2: diameter 0.25, hole 0.1, Top to In1.Cu, 277 vias
v3: diameter 0.35, hole 0.2, Top to Bottom, 38 vias
v4: diameter 0.4, hole 0.2, Top to Bottom, 40 vias
v5: diameter 0.3, hole 0.2, Top to Bottom, 101 vias
v6: diameter 0.4, hole 0.22, Top to Bottom, 4 vias
v7: diameter 0.4, hole 0.2, In1.Cu to In8.Cu, 83 vias
v8: diameter 0.35, hole 0.2, In1.Cu to In8.Cu, 16 vias
v9: diameter 0.35, hole 0.15, Top to Bottom, 17 vias
v10: diameter 0.35, hole 0.15, In1.Cu to In8.Cu, 2 vias
v11: diameter 0.25, hole 0.1, In1.Cu to In8.Cu, 7 vias
v12: diameter 0.25, hole 0.1, Top to Bottom, 2 vias

## Routing (per net, layer and track width the routed paths; a pad name or vN(x,y) marks a point on that pad's centre or on a via; arc(x,y) is an arc through that point)
0V95_ETH: length 14.7
  Top w0.15: U11.16 80.35,67.52 C353.1 ; C345.2 83.46,63.85 82.26,63.85 ; 81.15,60.34 81.15,59.9 81.34,59.71 82.03,59.71 C356.1 ; C348.1 77.95,67.52 U11.22 ; 82.26,65.05 83.47,65.05 C359.1 ; U11.28 76.15,64.25 75.6,64.8 C351.2
  Top w0.254: C347.2 74.45,59.55 C357.2 76.65,59.55 77.15,60.05 77.15,60.34
  Top w0.3: C347.2 73.63,59.55 v5(73.62,59.56) ; v5(73.62,59.91) v5(73.62,59.21) ; v5(83.12,59.26) 82.51,59.26 C356.1 ; v5(83.12,58.91) v5(83.12,59.61)
  vias: v1(92.42,68.43) v1(92.42,67.62) v1(92.42,66.83) v1(92.42,66.03) v1(92.42,65.23) v1(93.23,68.43) v1(93.23,67.62) v1(93.23,66.83) v1(93.23,66.03) v1(93.23,65.23) v5(75.22,64.96) v5(75.22,64.61) v5(77.77,67.51) v5(78.12,67.51) v5(80.17,67.56) v5(80.52,67.56) v5(83.47,65.26) v5(83.47,64.91) v5(83.47,64.01) v5(83.47,63.66)
3V3_M0:
  vias: v1(15.1,70.85) v1(15.1,70.1) v1(15.1,69.35) v1(15.85,70.85) v1(15.85,70.1) v1(15.85,69.35) v1(16.6,70.85) v1(16.6,70.1) v1(16.6,69.35) v1(17.35,70.85) v1(17.35,70.1) v1(17.35,69.35) v1(18.1,70.85) v1(18.1,70.1) v1(18.1,69.35)
/15V_PD_OUT: length 5.8
  Top w0.254: 3.3,51.15 7.42,51.15 8.22,51.95 R68.2
  vias: v1(4.22,26.88) v1(4.22,26.08) v1(4.22,25.28) v1(5.02,26.88) v1(5.02,26.08) v1(5.02,25.28) v1(5.83,26.88) v1(5.83,26.08) v1(5.83,25.28) v1(6.62,26.88) v1(6.62,26.08) v1(6.62,25.28) v1(7.42,26.88) v1(7.42,26.08) v1(7.42,25.28) v1(8.22,26.88) v1(8.22,26.08) v1(8.22,25.28) v1(9.02,26.88) v1(9.02,26.08) v1(9.02,25.28) v1(9.83,26.88) v1(9.83,26.08) v1(9.83,25.28) v1(10.62,26.88) v1(10.62,26.08) v1(10.62,25.28) v1(11.42,26.88) v1(11.42,26.08) v1(11.42,25.28) v1(12.22,26.88) v1(12.22,26.08) v1(12.22,25.28) v1(13.02,26.88) v1(13.02,26.08) v1(13.02,25.28) v1(13.83,26.88) v1(13.83,26.08) v1(13.83,25.28) v1(14.62,26.88) v1(14.62,26.08) v1(14.62,25.28) v1(15.42,26.88) v1(15.42,26.08) v1(15.42,25.28) v1(16.22,26.88) v1(16.22,26.08) v1(16.22,25.28) v1(17.02,26.88) v1(17.02,26.08) v1(17.02,25.28) v1(17.83,26.88) v1(17.83,26.08) v1(17.83,25.28) v1(17.83,24.48) v1(17.83,23.68) v1(18.62,26.88) v1(18.62,26.08) v1(18.62,25.28) v1(18.62,24.48) v1(18.62,23.68) v1(19.42,26.88) v1(19.42,26.08) v1(19.42,25.28) v1(19.42,24.48) v1(19.42,23.68) v1(20.22,26.88) v1(20.22,26.08) v1(20.22,25.28) v1(20.22,24.48) v1(20.22,23.68) v1(21.02,26.88) v1(21.02,26.08) v1(21.02,25.28) v1(21.02,24.48) v1(21.02,23.68)
